# EAGLE board Mk4 Final a Panel score (EAGLE 9.0.1), part 20 of 24 (continued)
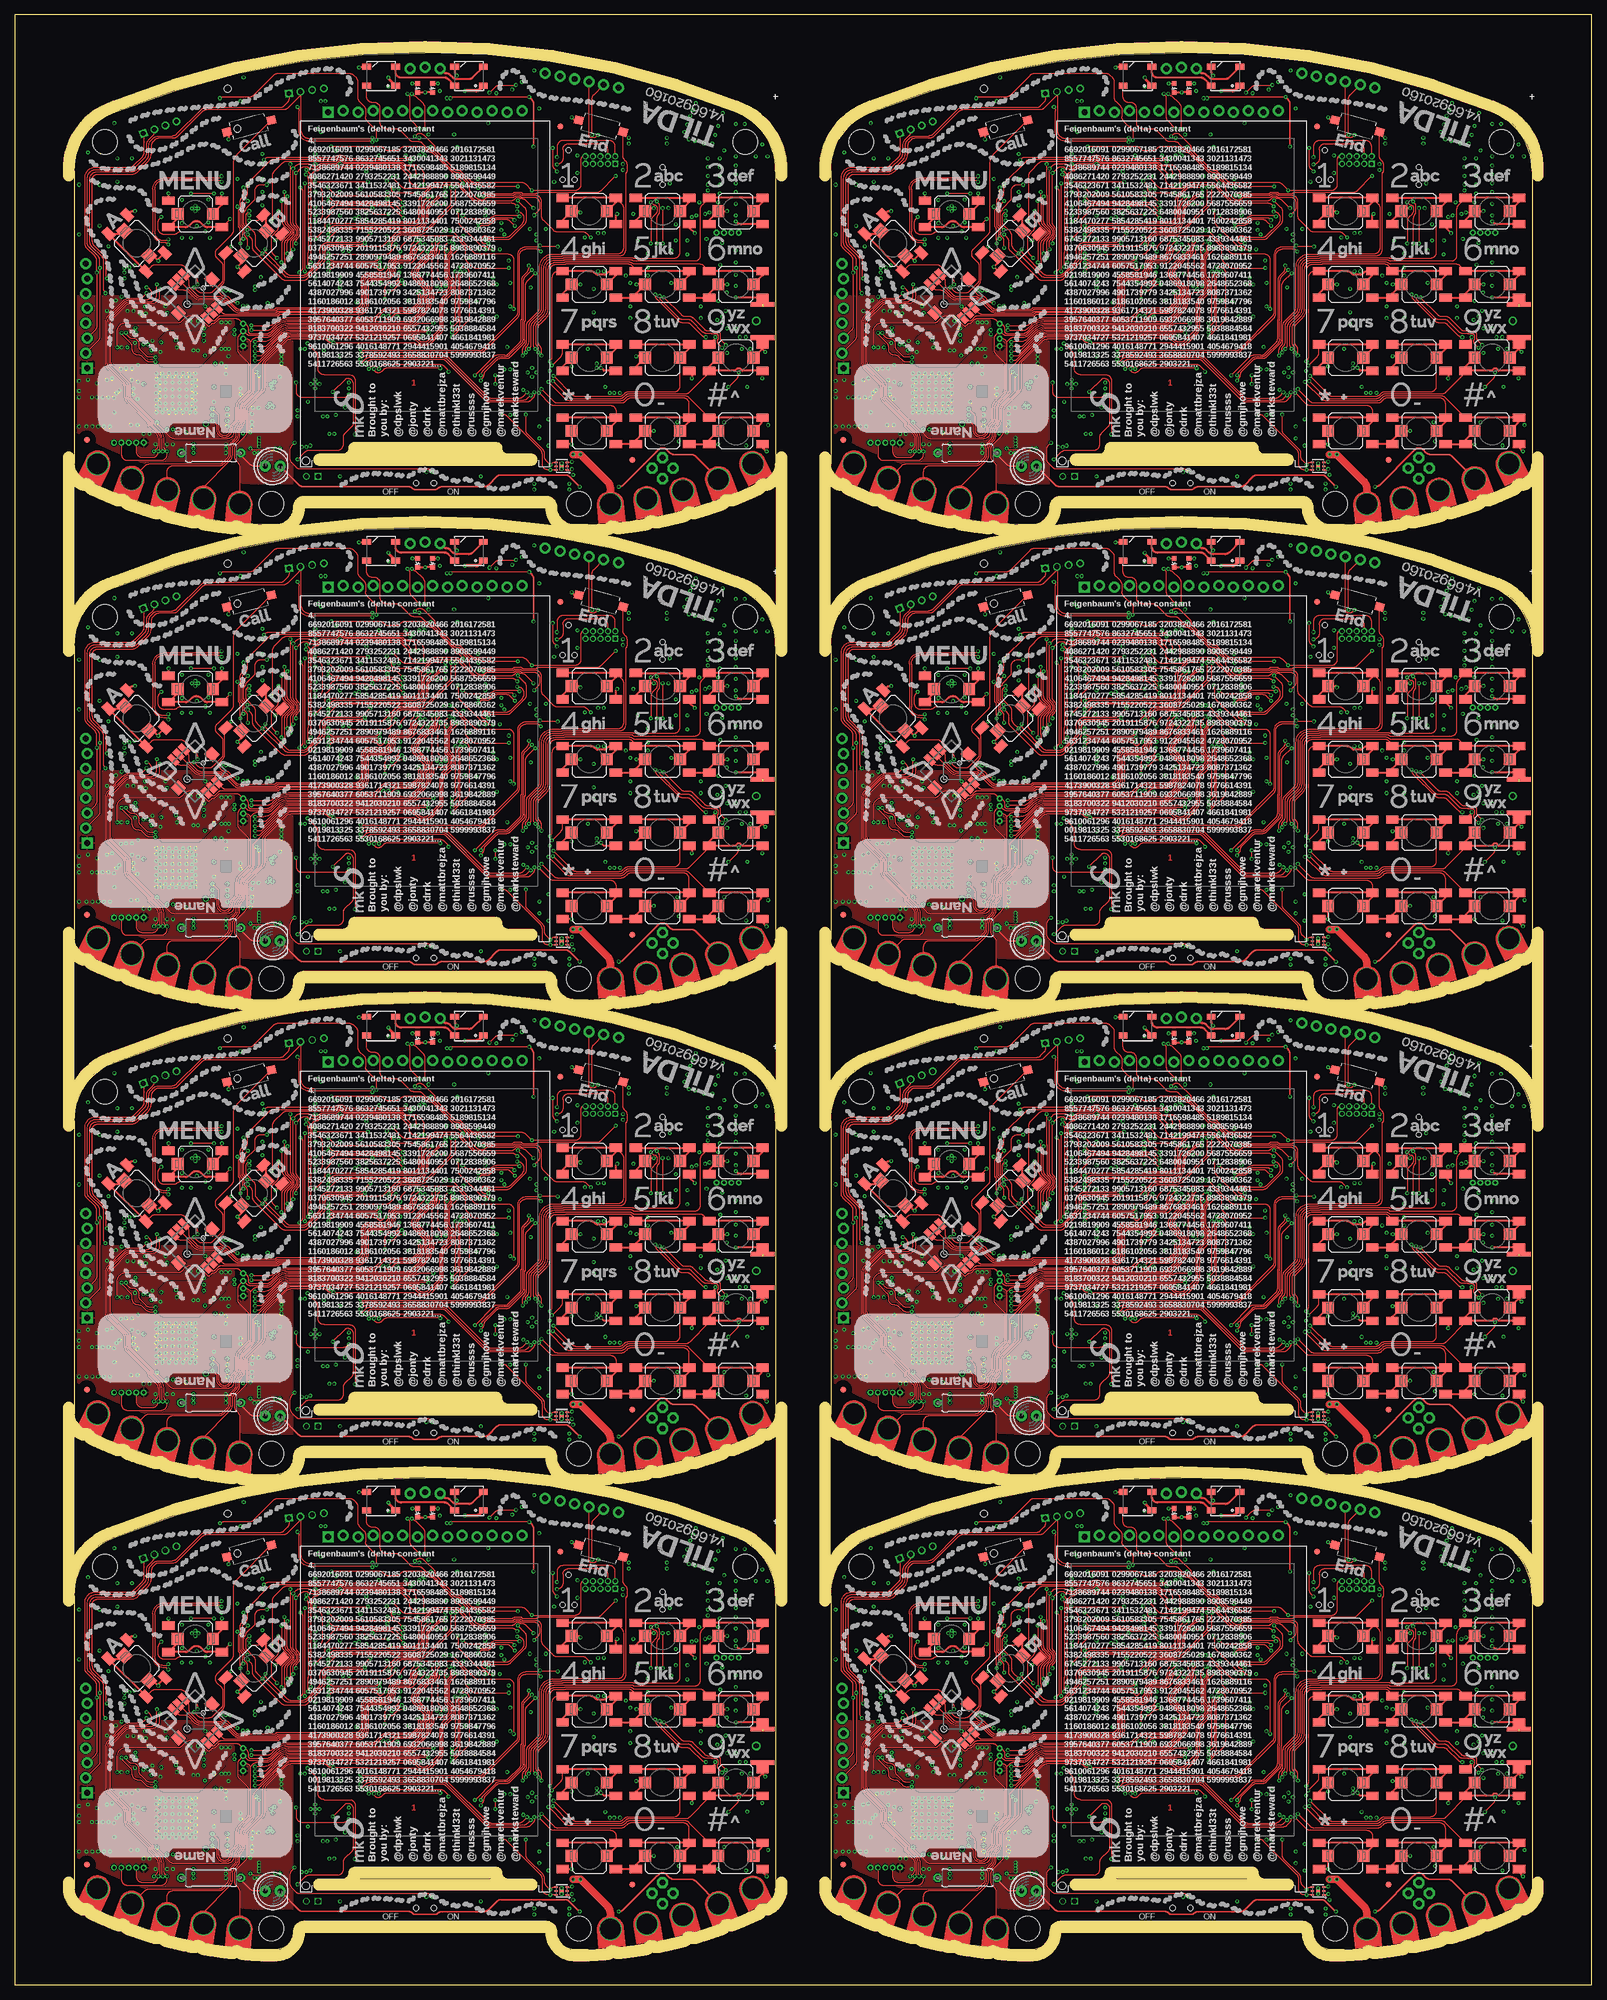
[diagram p0: board, top side]
## Tracks (layer width: path | path; a pad name or v marks a point on that pad's centre or on a via) (continued)
SWO  (via drill 0.3)
  Top 0.2: v91.75,70.25 91.75,67.41 arc45 92.04,66.71 v92.5,66.25
  Bottom 0.2: J3.6 99.9,70.3 arc90 98.9,71.3 93.16,71.3 arc45 92.46,71.01 91.75,70.3 v91.75,70.25 91.75,69.75 88.89,66.89 arc-45 88.19,66.6 82.51,66.6 arc45 81.81,66.31 80.99,65.49 arc-45 80.29,65.2 79.78,65.2 arc-45 79.43,65.35 79.37,65.4 arc45 79.02,65.55 79,65.55 78.98,65.55 arc45 78.63,65.4 78.57,65.35 arc-45 78.22,65.2 IC1.97 | JP4.6 92.66,66.09 v92.5,66.25
SWO1  (via drill 0.3)
  Top 0.2: v220.75,70.25 220.75,67.41 arc45 221.04,66.71 v221.5,66.25
  Bottom 0.2: J13.6 228.9,70.3 arc90 227.9,71.3 222.16,71.3 arc45 221.46,71.01 220.75,70.3 v220.75,70.25 220.75,69.75 217.89,66.89 arc-45 217.19,66.6 211.51,66.6 arc45 210.81,66.31 209.99,65.49 arc-45 209.29,65.2 208.78,65.2 arc-45 208.43,65.35 208.37,65.4 arc45 208.02,65.55 208,65.55 207.98,65.55 arc45 207.63,65.4 207.57,65.35 arc-45 207.22,65.2 IC20.97 | JP10.6 221.66,66.09 v221.5,66.25
SWO2  (via drill 0.3)
  Top 0.2: v91.75,151.25 91.75,148.41 arc45 92.04,147.71 v92.5,147.25
  Bottom 0.2: J23.6 99.9,151.3 arc90 98.9,152.3 93.16,152.3 arc45 92.46,152.01 91.75,151.3 v91.75,151.25 91.75,150.75 88.89,147.89 arc-45 88.19,147.6 82.51,147.6 arc45 81.81,147.31 80.99,146.49 arc-45 80.29,146.2 79.78,146.2 arc-45 79.43,146.35 79.37,146.4 arc45 79.02,146.55 79,146.55 78.98,146.55 arc45 78.63,146.4 78.57,146.35 arc-45 78.22,146.2 IC38.97 | JP19.6 92.66,147.09 v92.5,147.25
SWO3  (via drill 0.3)
  Top 0.2: v220.75,151.25 220.75,148.41 arc45 221.04,147.71 v221.5,147.25
  Bottom 0.2: J33.6 228.9,151.3 arc90 227.9,152.3 222.16,152.3 arc45 221.46,152.01 220.75,151.3 v220.75,151.25 220.75,150.75 217.89,147.89 arc-45 217.19,147.6 211.51,147.6 arc45 210.81,147.31 209.99,146.49 arc-45 209.29,146.2 208.78,146.2 arc-45 208.43,146.35 208.37,146.4 arc45 208.02,146.55 208,146.55 207.98,146.55 arc45 207.63,146.4 207.57,146.35 arc-45 207.22,146.2 IC56.97 | JP28.6 221.66,147.09 v221.5,147.25
SWO4  (via drill 0.3)
  Top 0.2: v91.75,232.25 91.75,229.41 arc45 92.04,228.71 v92.5,228.25
  Bottom 0.2: J43.6 99.9,232.3 arc90 98.9,233.3 93.16,233.3 arc45 92.46,233.01 91.75,232.3 v91.75,232.25 91.75,231.75 88.89,228.89 arc-45 88.19,228.6 82.51,228.6 arc45 81.81,228.31 80.99,227.49 arc-45 80.29,227.2 79.78,227.2 arc-45 79.43,227.35 79.37,227.4 arc45 79.02,227.55 79,227.55 78.98,227.55 arc45 78.63,227.4 78.57,227.35 arc-45 78.22,227.2 IC74.97 | JP37.6 92.66,228.09 v92.5,228.25
SWO5  (via drill 0.3)
  Top 0.2: v220.75,232.25 220.75,229.41 arc45 221.04,228.71 v221.5,228.25
  Bottom 0.2: J53.6 228.9,232.3 arc90 227.9,233.3 222.16,233.3 arc45 221.46,233.01 220.75,232.3 v220.75,232.25 220.75,231.75 217.89,228.89 arc-45 217.19,228.6 211.51,228.6 arc45 210.81,228.31 209.99,227.49 arc-45 209.29,227.2 208.78,227.2 arc-45 208.43,227.35 208.37,227.4 arc45 208.02,227.55 208,227.55 207.98,227.55 arc45 207.63,227.4 207.57,227.35 arc-45 207.22,227.2 IC92.97 | JP46.6 221.66,228.09 v221.5,228.25
SWO6  (via drill 0.3)
  Top 0.2: v91.75,313.25 91.75,310.41 arc45 92.04,309.71 v92.5,309.25
  Bottom 0.2: J63.6 99.9,313.3 arc90 98.9,314.3 93.16,314.3 arc45 92.46,314.01 91.75,313.3 v91.75,313.25 91.75,312.75 88.89,309.89 arc-45 88.19,309.6 82.51,309.6 arc45 81.81,309.31 80.99,308.49 arc-45 80.29,308.2 79.78,308.2 arc-45 79.43,308.35 79.37,308.4 arc45 79.02,308.55 79,308.55 78.98,308.55 arc45 78.63,308.4 78.57,308.35 arc-45 78.22,308.2 IC110.97 | JP55.6 92.66,309.09 v92.5,309.25
SWO7  (via drill 0.3)
  Top 0.2: v220.75,313.25 220.75,310.41 arc45 221.04,309.71 v221.5,309.25
  Bottom 0.2: J73.6 228.9,313.3 arc90 227.9,314.3 222.16,314.3 arc45 221.46,314.01 220.75,313.3 v220.75,313.25 220.75,312.75 217.89,309.89 arc-45 217.19,309.6 211.51,309.6 arc45 210.81,309.31 209.99,308.49 arc-45 209.29,308.2 208.78,308.2 arc-45 208.43,308.35 208.37,308.4 arc45 208.02,308.55 208,308.55 207.98,308.55 arc45 207.63,308.4 207.57,308.35 arc-45 207.22,308.2 IC128.97 | JP64.6 221.66,309.09 v221.5,309.25
T3CCPO_WS1  (via drill 0.3)
  Top 0.2: v214.8,61.3 215.91,60.19 arc-45 216.2,59.49 216.2,57.91 arc-45 215.91,57.21 213.59,54.89 arc-45 212.89,54.6 v209.3,54.6 | v214.8,63.7 208.71,63.7 arc-45 208.57,63.76 208.39,63.94 arc45 208.25,64 207.32,64 arc-45 206.61,64.29 205,65.9 arc45 204.65,66.05 204.52,66.05 arc-45 203.82,66.34 200.46,69.7 arc45 200.21,69.8 arc-45 199.51,70.09 198.59,71.01 arc45 197.89,71.3 197.11,71.3 arc-45 196.41,71.59 194.79,73.21 arc45 194.09,73.5 192.36,73.5 arc-90 191.36,74.5 191.36,77 arc90 190.36,78 190.05,78 arc-90 189.05,79 LED7.4
  Bottom 0.2: v214.8,63.7 v214.8,61.3 | v209.3,54.6 209.17,54.47 arc-45 208.82,54.33 208.57,54.33 arc45 208.22,54.18 208.19,54.15 arc-45 207.83,54 IC20.125
T3CCPO_WS2  (via drill 0.3)
  Top 0.2: v85.8,142.3 86.91,141.19 arc-45 87.2,140.49 87.2,138.91 arc-45 86.91,138.21 84.59,135.89 arc-45 83.89,135.6 v80.3,135.6 | v85.8,144.7 79.71,144.7 arc-45 79.57,144.76 79.39,144.94 arc45 79.25,145 78.32,145 arc-45 77.61,145.29 76,146.9 arc45 75.64,147.05 75.52,147.05 arc-45 74.82,147.34 71.46,150.7 arc45 71.21,150.8 arc-45 70.51,151.09 69.59,152.01 arc45 68.89,152.3 68.11,152.3 arc-45 67.41,152.59 65.79,154.21 arc45 65.09,154.5 63.36,154.5 arc-90 62.36,155.5 62.36,158 arc90 61.36,159 61.05,159 arc-90 60.05,160 LED13.4
  Bottom 0.2: v85.8,144.7 v85.8,142.3 | v80.3,135.6 80.17,135.47 arc-45 79.82,135.32 79.57,135.32 arc45 79.22,135.18 79.19,135.15 arc-45 78.83,135 IC38.125
T3CCPO_WS3  (via drill 0.3)
  Top 0.2: v214.8,142.3 215.91,141.19 arc-45 216.2,140.49 216.2,138.91 arc-45 215.91,138.21 213.59,135.89 arc-45 212.89,135.6 v209.3,135.6 | v214.8,144.7 208.71,144.7 arc-45 208.57,144.76 208.39,144.94 arc45 208.25,145 207.32,145 arc-45 206.61,145.29 205,146.9 arc45 204.65,147.05 204.52,147.05 arc-45 203.82,147.34 200.46,150.7 arc45 200.21,150.8 arc-45 199.51,151.09 198.59,152.01 arc45 197.89,152.3 197.11,152.3 arc-45 196.41,152.59 194.79,154.21 arc45 194.09,154.5 192.36,154.5 arc-90 191.36,155.5 191.36,158 arc90 190.36,159 190.05,159 arc-90 189.05,160 LED19.4
  Bottom 0.2: v214.8,144.7 v214.8,142.3 | v209.3,135.6 209.17,135.47 arc-45 208.82,135.32 208.57,135.32 arc45 208.22,135.18 208.19,135.15 arc-45 207.83,135 IC56.125
T3CCPO_WS4  (via drill 0.3)
  Top 0.2: v85.8,223.3 86.91,222.19 arc-45 87.2,221.49 87.2,219.91 arc-45 86.91,219.21 84.59,216.89 arc-45 83.89,216.6 v80.3,216.6 | v85.8,225.7 79.71,225.7 arc-45 79.57,225.76 79.39,225.94 arc45 79.25,226 78.32,226 arc-45 77.61,226.29 76,227.9 arc45 75.64,228.05 75.52,228.05 arc-45 74.82,228.34 71.46,231.7 arc45 71.21,231.8 arc-45 70.51,232.09 69.59,233.01 arc45 68.89,233.3 68.11,233.3 arc-45 67.41,233.59 65.79,235.21 arc45 65.09,235.5 63.36,235.5 arc-90 62.36,236.5 62.36,239 arc90 61.36,240 61.05,240 arc-90 60.05,241 LED25.4
  Bottom 0.2: v85.8,225.7 v85.8,223.3 | v80.3,216.6 80.17,216.47 arc-45 79.82,216.32 79.57,216.32 arc45 79.22,216.18 79.19,216.15 arc-45 78.83,216 IC74.125
T3CCPO_WS5  (via drill 0.3)
  Top 0.2: v214.8,223.3 215.91,222.19 arc-45 216.2,221.49 216.2,219.91 arc-45 215.91,219.21 213.59,216.89 arc-45 212.89,216.6 v209.3,216.6 | v214.8,225.7 208.71,225.7 arc-45 208.57,225.76 208.39,225.94 arc45 208.25,226 207.32,226 arc-45 206.61,226.29 205,227.9 arc45 204.65,228.05 204.52,228.05 arc-45 203.82,228.34 200.46,231.7 arc45 200.21,231.8 arc-45 199.51,232.09 198.59,233.01 arc45 197.89,233.3 197.11,233.3 arc-45 196.41,233.59 194.79,235.21 arc45 194.09,235.5 192.36,235.5 arc-90 191.36,236.5 191.36,239 arc90 190.36,240 190.05,240 arc-90 189.05,241 LED31.4
  Bottom 0.2: v214.8,225.7 v214.8,223.3 | v209.3,216.6 209.17,216.47 arc-45 208.82,216.32 208.57,216.32 arc45 208.22,216.18 208.19,216.15 arc-45 207.83,216 IC92.125
T3CCPO_WS6  (via drill 0.3)
  Top 0.2: v85.8,304.3 86.91,303.19 arc-45 87.2,302.49 87.2,300.91 arc-45 86.91,300.21 84.59,297.89 arc-45 83.89,297.6 v80.3,297.6 | v85.8,306.7 79.71,306.7 arc-45 79.57,306.76 79.39,306.94 arc45 79.25,307 78.32,307 arc-45 77.61,307.29 76,308.9 arc45 75.64,309.05 75.52,309.05 arc-45 74.82,309.34 71.46,312.7 arc45 71.21,312.8 arc-45 70.51,313.09 69.59,314.01 arc45 68.89,314.3 68.11,314.3 arc-45 67.41,314.59 65.79,316.21 arc45 65.09,316.5 63.36,316.5 arc-90 62.36,317.5 62.36,320 arc90 61.36,321 61.05,321 arc-90 60.05,322 LED37.4
  Bottom 0.2: v85.8,306.7 v85.8,304.3 | v80.3,297.6 80.17,297.47 arc-45 79.82,297.32 79.57,297.32 arc45 79.22,297.18 79.19,297.15 arc-45 78.83,297 IC110.125
T3CCPO_WS7  (via drill 0.3)
  Top 0.2: v214.8,304.3 215.91,303.19 arc-45 216.2,302.49 216.2,300.91 arc-45 215.91,300.21 213.59,297.89 arc-45 212.89,297.6 v209.3,297.6 | v214.8,306.7 208.71,306.7 arc-45 208.57,306.76 208.39,306.94 arc45 208.25,307 207.32,307 arc-45 206.61,307.29 205,308.9 arc45 204.65,309.05 204.52,309.05 arc-45 203.82,309.34 200.46,312.7 arc45 200.21,312.8 arc-45 199.51,313.09 198.59,314.01 arc45 197.89,314.3 197.11,314.3 arc-45 196.41,314.59 194.79,316.21 arc45 194.09,316.5 192.36,316.5 arc-90 191.36,317.5 191.36,320 arc90 190.36,321 190.05,321 arc-90 189.05,322 LED43.4
  Bottom 0.2: v214.8,306.7 v214.8,304.3 | v209.3,297.6 209.17,297.47 arc-45 208.82,297.32 208.57,297.32 arc45 208.22,297.18 208.19,297.15 arc-45 207.83,297 IC128.125
T3CCPO_WS2812  (via drill 0.3)
  Top 0.2: v85.8,61.3 86.91,60.19 arc-45 87.2,59.49 87.2,57.91 arc-45 86.91,57.21 84.59,54.89 arc-45 83.89,54.6 v80.3,54.6 | v85.8,63.7 79.71,63.7 arc-45 79.57,63.76 79.39,63.94 arc45 79.25,64 78.32,64 arc-45 77.61,64.29 76,65.9 arc45 75.64,66.05 75.52,66.05 arc-45 74.82,66.34 71.46,69.7 arc45 71.21,69.8 arc-45 70.51,70.09 69.59,71.01 arc45 68.89,71.3 68.11,71.3 arc-45 67.41,71.59 65.79,73.21 arc45 65.09,73.5 63.36,73.5 arc-90 62.36,74.5 62.36,77 arc90 61.36,78 61.05,78 arc-90 60.05,79 LED1.4
  Bottom 0.2: v85.8,63.7 v85.8,61.3 | v80.3,54.6 80.17,54.47 arc-45 79.82,54.33 79.57,54.33 arc45 79.22,54.18 79.19,54.15 arc-45 78.83,54 IC1.125
T4CCP0  (via drill 0.3)
  Top 0.15: v75,53.2 74.72,52.92 arc45 74.58,52.57 arc-45 74.46,52.3 74.19,52.03 arc45 73.9,51.32 73.9,48.61 arc45 74.19,47.91 74.42,47.68 arc-45 74.6,47.24 74.62,47.22 74.62,46.55 arc-45 74.19,45.49 73.17,44.47 arc45 72.8,43.58 72.8,39.72 arc-45 72.43,38.83 70.87,37.27 arc-45 69.98,36.9 69.41,36.9 arc-45 68.71,37.19 68.29,37.61 arc45 67.59,37.9 54.26,37.9 arc45 53.9,37.75 v53.8,37.65 53.74,37.71 arc45 53.04,38 47.07,38 arc45 46.19,37.63 42.67,34.11 arc45 42.3,33.23 42.3,29.41 arc-45 42.01,28.71 39.67,26.37 arc45 39.3,25.48 39.3,24.01 arc-45 38.69,22.54 arc45 38.4,21.84 38.4,21.3 arc-45 37.96,20.24 37.52,19.79 arc45 37.15,18.91 37.15,17.97 arc-45 36.71,16.91 32.2,12.4 PCB.CH2
  3V3@2 0.15: PCB.CH2 | v20.4,50.2 20.4,49.9 20,49.5 20,47.5 19,46.5 17.5,46.5 16.6,45.6 16.6,44.6 12.37,40.37 JP6.4
  Bottom 0.15: v53.8,37.65 arc-45 53.29,37.86 50.34,40.81 arc45 48.92,41.4 43.23,41.4 arc-45 42.52,41.69 38.93,45.29 arc-45 38.8,45.6 38.8,45.75 arc90 37.05,47.5 34.06,47.5 arc-45 33.36,47.79 31.76,49.39 arc45 30.52,49.9 21.11,49.9 arc-45 v20.41,50.19 v20.4,50.2
  Bottom 0.2: v75,53.2 75.44,53.63 arc-90 76.14,53.63 76.43,53.35 arc45 76.78,53.2 IC1.127
T4CCP1  (via drill 0.3)
  Top 0.15: PCB.CH1 38.38,15.9 arc45 38.09,16.61 37.74,16.96 arc-45 37.45,17.66 37.45,18.89 arc-45 37.74,19.59 39.27,21.12 arc45 39.6,21.91 39.6,25.46 arc-45 39.89,26.17 42.23,28.51 arc45 42.6,29.39 42.6,33.21 arc-45 42.89,33.92 46.38,37.41 arc-45 47.09,37.7 52.59,37.7 arc-45 53.29,37.41 53.45,37.25 arc45 53.81,37.1 v54.4,37.1 60,37.1 60.05,37.05 67.94,37.05 arc-45 68.64,36.76 arc45 69.02,36.6 70.08,36.6 arc45 71.14,37.04 72.66,38.56 arc45 73.1,39.62 73.1,43.49 arc-45 73.39,44.19 74.41,45.21 arc45 74.92,46.45 74.92,47.34 74.9,47.37 arc45 74.66,47.94 74.49,48.11 arc-45 74.2,48.81 74.2,51.19 arc-45 74.49,51.89 v75.8,53.2
  3V3@2 0.15: v19.6,49.9 19.6,47.6 19,47 17,47 16.25,46.25 16.25,45 14.16,42.91 JP6.5
  Bottom 0.15: v54.4,37.1 53.81,37.1 arc-45 53.45,37.25 50.11,40.59 arc45 48.88,41.1 43.11,41.1 arc-45 42.4,41.39 38.65,45.15 arc-45 38.5,45.5 38.5,45.7 arc90 37,47.2 34.02,47.2 arc-45 33.13,47.57 31.54,49.16 arc45 30.48,49.6 20.31,49.6 arc-45 v19.61,49.89 v19.6,49.9
  Bottom 0.2: IC1.128 76.41,52.8 arc-45 76.05,52.95 v75.8,53.2
T4CCP2  (via drill 0.3)
  Top 0.15: v204,53.2 203.72,52.92 arc45 203.57,52.57 arc-45 203.46,52.3 203.19,52.03 arc45 202.9,51.32 202.9,48.61 arc45 203.19,47.91 203.42,47.68 arc-45 203.6,47.24 203.62,47.22 203.62,46.55 arc-45 203.19,45.49 202.17,44.47 arc45 201.8,43.58 201.8,39.72 arc-45 201.43,38.83 199.87,37.27 arc-45 198.98,36.9 198.41,36.9 arc-45 197.71,37.19 197.29,37.61 arc45 196.59,37.9 183.26,37.9 arc45 182.9,37.75 v182.8,37.65 182.74,37.71 arc45 182.04,38 176.07,38 arc45 175.19,37.63 171.67,34.11 arc45 171.3,33.23 171.3,29.41 arc-45 171.01,28.71 168.67,26.37 arc45 168.3,25.48 168.3,24.01 arc-45 167.69,22.54 arc45 167.4,21.84 167.4,21.3 arc-45 166.96,20.24 166.52,19.79 arc45 166.15,18.91 166.15,17.97 arc-45 165.71,16.91 161.2,12.4 PCB1.CH2
  3V3@2 0.15: PCB1.CH2 | v149.4,50.2 149.4,49.9 149,49.5 149,47.5 148,46.5 146.5,46.5 145.6,45.6 145.6,44.6 141.37,40.37 JP17.4
  Bottom 0.15: v182.8,37.65 arc-45 182.29,37.86 179.34,40.81 arc45 177.92,41.4 172.23,41.4 arc-45 171.52,41.69 167.93,45.29 arc-45 167.8,45.6 167.8,45.75 arc90 166.05,47.5 163.06,47.5 arc-45 162.36,47.79 160.76,49.39 arc45 159.53,49.9 150.11,49.9 arc-45 v149.41,50.19 v149.4,50.2
  Bottom 0.2: v204,53.2 204.44,53.63 arc-90 205.14,53.63 205.43,53.35 arc45 205.78,53.2 IC20.127
T4CCP3  (via drill 0.3)
  Top 0.15: PCB1.CH1 167.38,15.9 arc45 167.09,16.61 166.74,16.96 arc-45 166.45,17.66 166.45,18.89 arc-45 166.74,19.59 168.28,21.12 arc45 168.6,21.91 168.6,25.46 arc-45 168.89,26.17 171.23,28.51 arc45 171.6,29.39 171.6,33.21 arc-45 171.89,33.92 175.38,37.41 arc-45 176.09,37.7 181.59,37.7 arc-45 182.29,37.41 182.45,37.25 arc45 182.81,37.1 v183.4,37.1 189,37.1 189.05,37.05 196.94,37.05 arc-45 197.64,36.76 arc45 198.02,36.6 199.08,36.6 arc45 200.14,37.04 201.66,38.56 arc45 202.1,39.62 202.1,43.49 arc-45 202.39,44.19 203.41,45.21 arc45 203.93,46.45 203.93,47.34 203.9,47.37 arc45 203.66,47.94 203.49,48.11 arc-45 203.2,48.81 203.2,51.19 arc-45 203.49,51.89 v204.8,53.2
  3V3@2 0.15: v148.6,49.9 148.6,47.6 148,47 146,47 145.25,46.25 145.25,45 143.16,42.91 JP17.5
  Bottom 0.15: v183.4,37.1 182.81,37.1 arc-45 182.45,37.25 179.11,40.59 arc45 177.88,41.1 172.11,41.1 arc-45 171.4,41.39 167.65,45.15 arc-45 167.5,45.5 167.5,45.7 arc90 166,47.2 163.02,47.2 arc-45 162.13,47.57 160.54,49.16 arc45 159.48,49.6 149.31,49.6 arc-45 v148.61,49.89 v148.6,49.9
  Bottom 0.2: IC20.128 205.41,52.8 arc-45 205.05,52.95 v204.8,53.2
T4CCP4  (via drill 0.3)
  Top 0.15: v75,134.2 74.72,133.92 arc45 74.58,133.57 arc-45 74.46,133.3 74.19,133.03 arc45 73.9,132.32 73.9,129.61 arc45 74.19,128.91 74.42,128.68 arc-45 74.6,128.24 74.62,128.22 74.62,127.55 arc-45 74.19,126.49 73.17,125.47 arc45 72.8,124.58 72.8,120.72 arc-45 72.43,119.83 70.87,118.27 arc-45 69.98,117.9 69.41,117.9 arc-45 68.71,118.19 68.29,118.61 arc45 67.59,118.9 54.26,118.9 arc45 53.9,118.75 v53.8,118.65 53.74,118.71 arc45 53.04,119 47.07,119 arc45 46.19,118.63 42.67,115.11 arc45 42.3,114.23 42.3,110.41 arc-45 42.01,109.71 39.67,107.37 arc45 39.3,106.48 39.3,105.01 arc-45 38.69,103.54 arc45 38.4,102.84 38.4,102.3 arc-45 37.96,101.24 37.52,100.79 arc45 37.15,99.91 37.15,98.97 arc-45 36.71,97.91 32.2,93.4 PCB2.CH2
  3V3@2 0.15: PCB2.CH2 | v20.4,131.2 20.4,130.9 20,130.5 20,128.5 19,127.5 17.5,127.5 16.6,126.6 16.6,125.6 12.37,121.37 JP26.4
  Bottom 0.15: v53.8,118.65 arc-45 53.29,118.86 50.34,121.81 arc45 48.92,122.4 43.23,122.4 arc-45 42.52,122.69 38.93,126.29 arc-45 38.8,126.6 38.8,126.75 arc90 37.05,128.5 34.06,128.5 arc-45 33.36,128.79 31.76,130.39 arc45 30.52,130.9 21.11,130.9 arc-45 v20.41,131.19 v20.4,131.2
  Bottom 0.2: v75,134.2 75.44,134.63 arc-90 76.14,134.63 76.43,134.35 arc45 76.78,134.2 IC38.127
T4CCP5  (via drill 0.3)
  Top 0.15: PCB2.CH1 38.38,96.9 arc45 38.09,97.61 37.74,97.96 arc-45 37.45,98.66 37.45,99.89 arc-45 37.74,100.59 39.27,102.12 arc45 39.6,102.91 39.6,106.46 arc-45 39.89,107.17 42.23,109.51 arc45 42.6,110.39 42.6,114.21 arc-45 42.89,114.92 46.38,118.41 arc-45 47.09,118.7 52.59,118.7 arc-45 53.29,118.41 53.45,118.25 arc45 53.81,118.1 v54.4,118.1 60,118.1 60.05,118.05 67.94,118.05 arc-45 68.64,117.76 arc45 69.02,117.6 70.08,117.6 arc45 71.14,118.04 72.66,119.56 arc45 73.1,120.62 73.1,124.49 arc-45 73.39,125.19 74.41,126.21 arc45 74.92,127.45 74.92,128.34 74.9,128.37 arc45 74.66,128.94 74.49,129.11 arc-45 74.2,129.81 74.2,132.19 arc-45 74.49,132.89 v75.8,134.2
  3V3@2 0.15: v19.6,130.9 19.6,128.6 19,128 17,128 16.25,127.25 16.25,126 14.16,123.91 JP26.5
  Bottom 0.15: v54.4,118.1 53.81,118.1 arc-45 53.45,118.25 50.11,121.59 arc45 48.88,122.1 43.11,122.1 arc-45 42.4,122.39 38.65,126.15 arc-45 38.5,126.5 38.5,126.7 arc90 37,128.2 34.02,128.2 arc-45 33.13,128.57 31.54,130.16 arc45 30.48,130.6 20.31,130.6 arc-45 v19.61,130.89 v19.6,130.9
  Bottom 0.2: IC38.128 76.41,133.8 arc-45 76.05,133.95 v75.8,134.2
T4CCP6  (via drill 0.3)
  Top 0.15: v204,134.2 203.72,133.92 arc45 203.57,133.57 arc-45 203.46,133.3 203.19,133.03 arc45 202.9,132.32 202.9,129.61 arc45 203.19,128.91 203.42,128.68 arc-45 203.6,128.24 203.62,128.22 203.62,127.55 arc-45 203.19,126.49 202.17,125.47 arc45 201.8,124.58 201.8,120.72 arc-45 201.43,119.83 199.87,118.27 arc-45 198.98,117.9 198.41,117.9 arc-45 197.71,118.19 197.29,118.61 arc45 196.59,118.9 183.26,118.9 arc45 182.9,118.75 v182.8,118.65 182.74,118.71 arc45 182.04,119 176.07,119 arc45 175.19,118.63 171.67,115.11 arc45 171.3,114.23 171.3,110.41 arc-45 171.01,109.71 168.67,107.37 arc45 168.3,106.48 168.3,105.01 arc-45 167.69,103.54 arc45 167.4,102.84 167.4,102.3 arc-45 166.96,101.24 166.52,100.79 arc45 166.15,99.91 166.15,98.97 arc-45 165.71,97.91 161.2,93.4 PCB3.CH2
  3V3@2 0.15: PCB3.CH2 | v149.4,131.2 149.4,130.9 149,130.5 149,128.5 148,127.5 146.5,127.5 145.6,126.6 145.6,125.6 141.37,121.37 JP35.4
  Bottom 0.15: v182.8,118.65 arc-45 182.29,118.86 179.34,121.81 arc45 177.92,122.4 172.23,122.4 arc-45 171.52,122.69 167.93,126.29 arc-45 167.8,126.6 167.8,126.75 arc90 166.05,128.5 163.06,128.5 arc-45 162.36,128.79 160.76,130.39 arc45 159.53,130.9 150.11,130.9 arc-45 v149.41,131.19 v149.4,131.2
  Bottom 0.2: v204,134.2 204.44,134.63 arc-90 205.14,134.63 205.43,134.35 arc45 205.78,134.2 IC56.127
T4CCP7  (via drill 0.3)
  Top 0.15: PCB3.CH1 167.38,96.9 arc45 167.09,97.61 166.74,97.96 arc-45 166.45,98.66 166.45,99.89 arc-45 166.74,100.59 168.28,102.12 arc45 168.6,102.91 168.6,106.46 arc-45 168.89,107.17 171.23,109.51 arc45 171.6,110.39 171.6,114.21 arc-45 171.89,114.92 175.38,118.41 arc-45 176.09,118.7 181.59,118.7 arc-45 182.29,118.41 182.45,118.25 arc45 182.81,118.1 v183.4,118.1 189,118.1 189.05,118.05 196.94,118.05 arc-45 197.64,117.76 arc45 198.02,117.6 199.08,117.6 arc45 200.14,118.04 201.66,119.56 arc45 202.1,120.62 202.1,124.49 arc-45 202.39,125.19 203.41,126.21 arc45 203.93,127.45 203.93,128.34 203.9,128.37 arc45 203.66,128.94 203.49,129.11 arc-45 203.2,129.81 203.2,132.19 arc-45 203.49,132.89 v204.8,134.2
  3V3@2 0.15: v148.6,130.9 148.6,128.6 148,128 146,128 145.25,127.25 145.25,126 143.16,123.91 JP35.5
  Bottom 0.15: v183.4,118.1 182.81,118.1 arc-45 182.45,118.25 179.11,121.59 arc45 177.88,122.1 172.11,122.1 arc-45 171.4,122.39 167.65,126.15 arc-45 167.5,126.5 167.5,126.7 arc90 166,128.2 163.02,128.2 arc-45 162.13,128.57 160.54,130.16 arc45 159.48,130.6 149.31,130.6 arc-45 v148.61,130.89 v148.6,130.9
  Bottom 0.2: IC56.128 205.41,133.8 arc-45 205.05,133.95 v204.8,134.2
T4CCP8  (via drill 0.3)
  Top 0.15: v75,215.2 74.72,214.92 arc45 74.58,214.57 arc-45 74.46,214.29 74.19,214.03 arc45 73.9,213.32 73.9,210.61 arc45 74.19,209.91 74.42,209.68 arc-45 74.6,209.24 74.62,209.22 74.62,208.55 arc-45 74.19,207.49 73.17,206.47 arc45 72.8,205.58 72.8,201.72 arc-45 72.43,200.83 70.87,199.27 arc-45 69.98,198.9 69.41,198.9 arc-45 68.71,199.19 68.29,199.61 arc45 67.59,199.9 54.26,199.9 arc45 53.9,199.75 v53.8,199.65 53.74,199.71 arc45 53.04,200 47.07,200 arc45 46.19,199.63 42.67,196.12 arc45 42.3,195.23 42.3,191.41 arc-45 42.01,190.71 39.67,188.37 arc45 39.3,187.48 39.3,186.01 arc-45 38.69,184.54 arc45 38.4,183.84 38.4,183.3 arc-45 37.96,182.24 37.52,181.79 arc45 37.15,180.91 37.15,179.97 arc-45 36.71,178.91 32.2,174.4 PCB4.CH2
  3V3@2 0.15: PCB4.CH2 | v20.4,212.2 20.4,211.9 20,211.5 20,209.5 19,208.5 17.5,208.5 16.6,207.6 16.6,206.6 12.37,202.37 JP44.4
  Bottom 0.15: v53.8,199.65 arc-45 53.29,199.86 50.34,202.81 arc45 48.92,203.4 43.23,203.4 arc-45 42.52,203.69 38.93,207.29 arc-45 38.8,207.6 38.8,207.75 arc90 37.05,209.5 34.06,209.5 arc-45 33.36,209.79 31.76,211.39 arc45 30.52,211.9 21.11,211.9 arc-45 v20.41,212.19 v20.4,212.2
  Bottom 0.2: v75,215.2 75.44,215.63 arc-90 76.14,215.63 76.43,215.35 arc45 76.78,215.2 IC74.127
T4CCP9  (via drill 0.3)
  Top 0.15: PCB4.CH1 38.38,177.9 arc45 38.09,178.61 37.74,178.96 arc-45 37.45,179.66 37.45,180.89 arc-45 37.74,181.59 39.27,183.12 arc45 39.6,183.91 39.6,187.46 arc-45 39.89,188.17 42.23,190.51 arc45 42.6,191.39 42.6,195.21 arc-45 42.89,195.92 46.38,199.41 arc-45 47.09,199.7 52.59,199.7 arc-45 53.29,199.41 53.45,199.25 arc45 53.81,199.1 v54.4,199.1 60,199.1 60.05,199.05 67.94,199.05 arc-45 68.64,198.76 arc45 69.02,198.6 70.08,198.6 arc45 71.14,199.04 72.66,200.56 arc45 73.1,201.62 73.1,205.49 arc-45 73.39,206.19 74.41,207.21 arc45 74.92,208.45 74.92,209.34 74.9,209.37 arc45 74.66,209.94 74.49,210.11 arc-45 74.2,210.81 74.2,213.19 arc-45 74.49,213.89 v75.8,215.2
  3V3@2 0.15: v19.6,211.9 19.6,209.6 19,209 17,209 16.25,208.25 16.25,207 14.16,204.91 JP44.5
  Bottom 0.15: v54.4,199.1 53.81,199.1 arc-45 53.45,199.25 50.11,202.59 arc45 48.88,203.1 43.11,203.1 arc-45 42.4,203.39 38.65,207.15 arc-45 38.5,207.5 38.5,207.7 arc90 37,209.2 34.02,209.2 arc-45 33.13,209.57 31.54,211.16 arc45 30.48,211.6 20.31,211.6 arc-45 v19.61,211.89 v19.6,211.9
  Bottom 0.2: IC74.128 76.41,214.8 arc-45 76.05,214.95 v75.8,215.2
T4CCP10  (via drill 0.3)
  Top 0.15: v204,215.2 203.72,214.92 arc45 203.57,214.57 arc-45 203.46,214.29 203.19,214.03 arc45 202.9,213.32 202.9,210.61 arc45 203.19,209.91 203.42,209.68 arc-45 203.6,209.24 203.62,209.22 203.62,208.55 arc-45 203.19,207.49 202.17,206.47 arc45 201.8,205.58 201.8,201.72 arc-45 201.43,200.83 199.87,199.27 arc-45 198.98,198.9 198.41,198.9 arc-45 197.71,199.19 197.29,199.61 arc45 196.59,199.9 183.26,199.9 arc45 182.9,199.75 v182.8,199.65 182.74,199.71 arc45 182.04,200 176.07,200 arc45 175.19,199.63 171.67,196.12 arc45 171.3,195.23 171.3,191.41 arc-45 171.01,190.71 168.67,188.37 arc45 168.3,187.48 168.3,186.01 arc-45 167.69,184.54 arc45 167.4,183.84 167.4,183.3 arc-45 166.96,182.24 166.52,181.79 arc45 166.15,180.91 166.15,179.97 arc-45 165.71,178.91 161.2,174.4 PCB5.CH2
  3V3@2 0.15: PCB5.CH2 | v149.4,212.2 149.4,211.9 149,211.5 149,209.5 148,208.5 146.5,208.5 145.6,207.6 145.6,206.6 141.37,202.37 JP53.4
  Bottom 0.15: v182.8,199.65 arc-45 182.29,199.86 179.34,202.81 arc45 177.92,203.4 172.23,203.4 arc-45 171.52,203.69 167.93,207.29 arc-45 167.8,207.6 167.8,207.75 arc90 166.05,209.5 163.06,209.5 arc-45 162.36,209.79 160.76,211.39 arc45 159.53,211.9 150.11,211.9 arc-45 v149.41,212.19 v149.4,212.2
  Bottom 0.2: v204,215.2 204.44,215.63 arc-90 205.14,215.63 205.43,215.35 arc45 205.78,215.2 IC92.127
T4CCP11  (via drill 0.3)
  Top 0.15: PCB5.CH1 167.38,177.9 arc45 167.09,178.61 166.74,178.96 arc-45 166.45,179.66 166.45,180.89 arc-45 166.74,181.59 168.28,183.12 arc45 168.6,183.91 168.6,187.46 arc-45 168.89,188.17 171.23,190.51 arc45 171.6,191.39 171.6,195.21 arc-45 171.89,195.92 175.38,199.41 arc-45 176.09,199.7 181.59,199.7 arc-45 182.29,199.41 182.45,199.25 arc45 182.81,199.1 v183.4,199.1 189,199.1 189.05,199.05 196.94,199.05 arc-45 197.64,198.76 arc45 198.02,198.6 199.08,198.6 arc45 200.14,199.04 201.66,200.56 arc45 202.1,201.62 202.1,205.49 arc-45 202.39,206.19 203.41,207.21 arc45 203.93,208.45 203.93,209.34 203.9,209.37 arc45 203.66,209.94 203.49,210.11 arc-45 203.2,210.81 203.2,213.19 arc-45 203.49,213.89 v204.8,215.2
  3V3@2 0.15: v148.6,211.9 148.6,209.6 148,209 146,209 145.25,208.25 145.25,207 143.16,204.91 JP53.5
  Bottom 0.15: v183.4,199.1 182.81,199.1 arc-45 182.45,199.25 179.11,202.59 arc45 177.88,203.1 172.11,203.1 arc-45 171.4,203.39 167.65,207.15 arc-45 167.5,207.5 167.5,207.7 arc90 166,209.2 163.02,209.2 arc-45 162.13,209.57 160.54,211.16 arc45 159.48,211.6 149.31,211.6 arc-45 v148.61,211.89 v148.6,211.9
  Bottom 0.2: IC92.128 205.41,214.8 arc-45 205.05,214.95 v204.8,215.2
T4CCP12  (via drill 0.3)
  Top 0.15: v75,296.2 74.72,295.92 arc45 74.58,295.57 arc-45 74.46,295.3 74.19,295.03 arc45 73.9,294.32 73.9,291.61 arc45 74.19,290.91 74.42,290.68 arc-45 74.6,290.24 74.62,290.22 74.62,289.55 arc-45 74.19,288.49 73.17,287.47 arc45 72.8,286.58 72.8,282.72 arc-45 72.43,281.83 70.87,280.27 arc-45 69.98,279.9 69.41,279.9 arc-45 68.71,280.19 68.29,280.61 arc45 67.59,280.9 54.26,280.9 arc45 53.9,280.75 v53.8,280.65 53.74,280.71 arc45 53.04,281 47.07,281 arc45 46.19,280.63 42.67,277.12 arc45 42.3,276.23 42.3,272.41 arc-45 42.01,271.71 39.67,269.37 arc45 39.3,268.48 39.3,267.01 arc-45 38.69,265.54 arc45 38.4,264.84 38.4,264.3 arc-45 37.96,263.24 37.52,262.79 arc45 37.15,261.91 37.15,260.97 arc-45 36.71,259.91 32.2,255.4 PCB6.CH2
  3V3@2 0.15: PCB6.CH2 | v20.4,293.2 20.4,292.9 20,292.5 20,290.5 19,289.5 17.5,289.5 16.6,288.6 16.6,287.6 12.37,283.37 JP62.4
  Bottom 0.15: v53.8,280.65 arc-45 53.29,280.86 50.34,283.81 arc45 48.92,284.4 43.23,284.4 arc-45 42.52,284.69 38.93,288.29 arc-45 38.8,288.6 38.8,288.75 arc90 37.05,290.5 34.06,290.5 arc-45 33.36,290.79 31.76,292.39 arc45 30.52,292.9 21.11,292.9 arc-45 v20.41,293.19 v20.4,293.2
  Bottom 0.2: v75,296.2 75.44,296.63 arc-90 76.14,296.63 76.43,296.35 arc45 76.78,296.2 IC110.127
T4CCP13  (via drill 0.3)
  Top 0.15: PCB6.CH1 38.38,258.9 arc45 38.09,259.61 37.74,259.96 arc-45 37.45,260.66 37.45,261.89 arc-45 37.74,262.59 39.27,264.12 arc45 39.6,264.91 39.6,268.46 arc-45 39.89,269.17 42.23,271.51 arc45 42.6,272.39 42.6,276.21 arc-45 42.89,276.92 46.38,280.41 arc-45 47.09,280.7 52.59,280.7 arc-45 53.29,280.41 53.45,280.25 arc45 53.81,280.1 v54.4,280.1 60,280.1 60.05,280.05 67.94,280.05 arc-45 68.64,279.76 arc45 69.02,279.6 70.08,279.6 arc45 71.14,280.04 72.66,281.56 arc45 73.1,282.62 73.1,286.49 arc-45 73.39,287.19 74.41,288.21 arc45 74.92,289.45 74.92,290.34 74.9,290.37 arc45 74.66,290.94 74.49,291.11 arc-45 74.2,291.81 74.2,294.19 arc-45 74.49,294.89 v75.8,296.2
  3V3@2 0.15: v19.6,292.9 19.6,290.6 19,290 17,290 16.25,289.25 16.25,288 14.16,285.91 JP62.5